# KiCad board KlusterLab r2.0.kicad_pcb (continued)
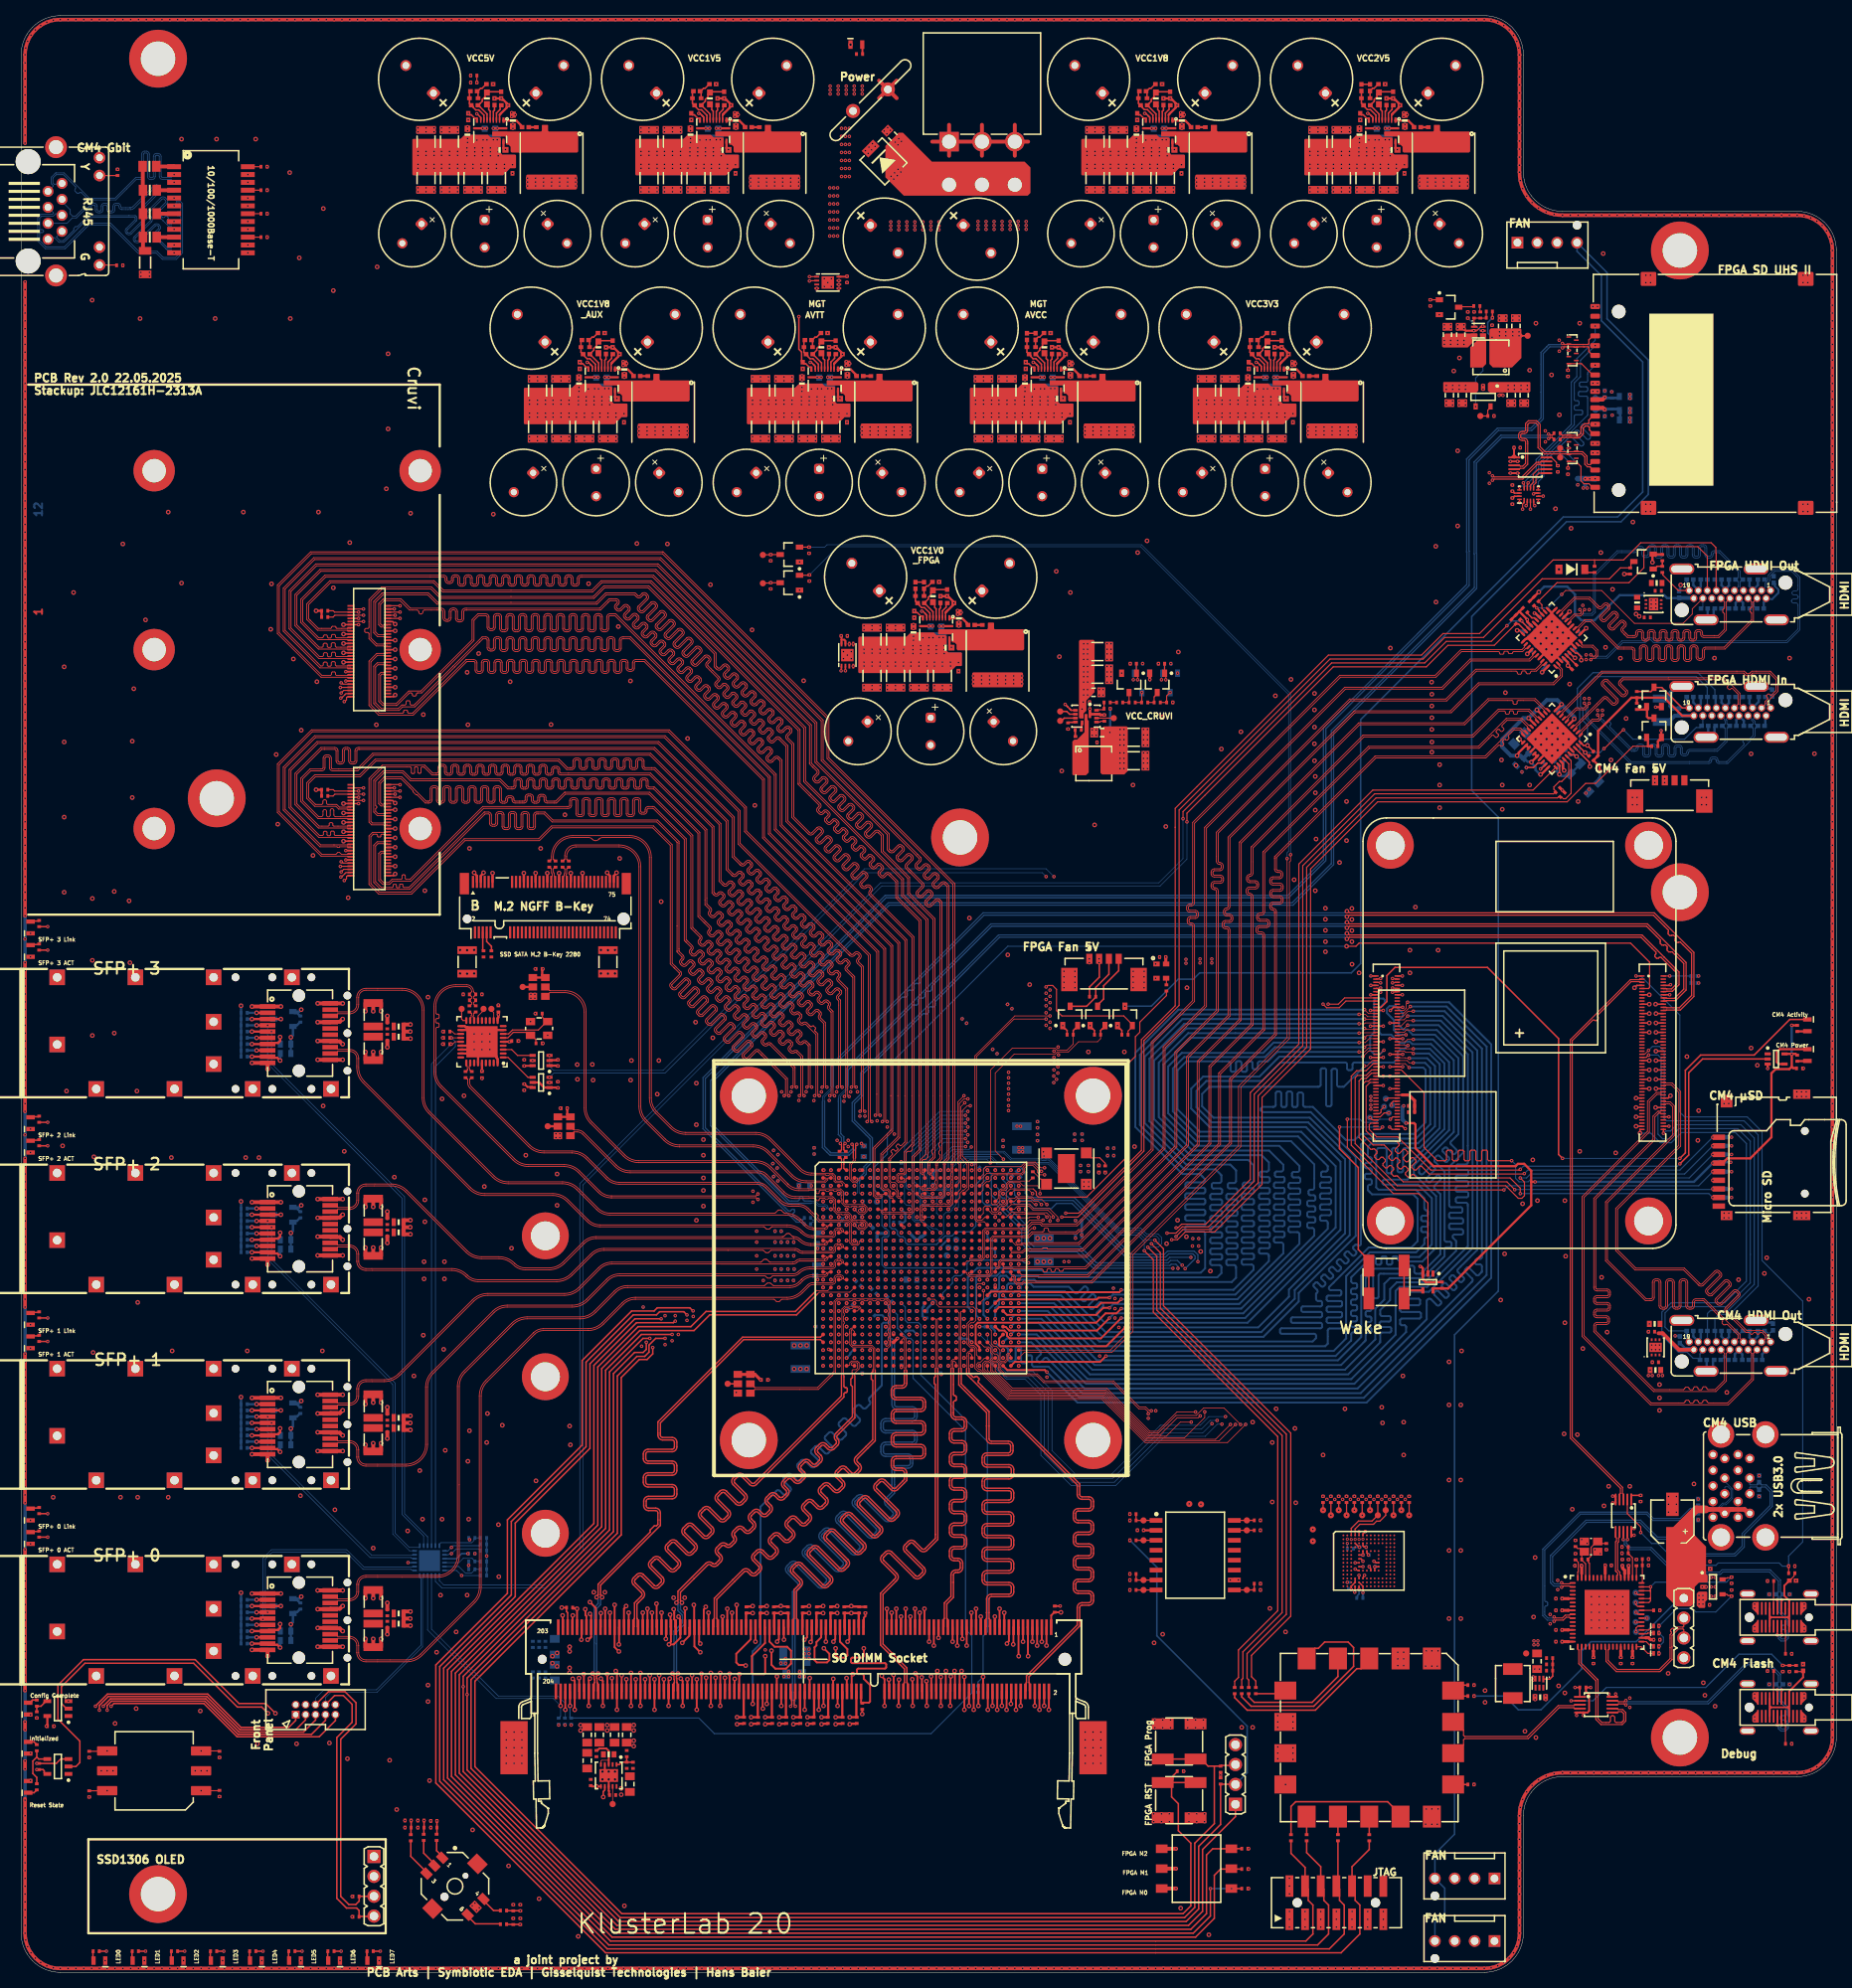
[diagram p0: board, top side]
## Routing (per net, layer and track width the routed paths; a pad name or vN(x,y) marks a point on that pad's centre or on a via; arc(x,y) is an arc through that point) (continued)
  L3 Inner2 (Sig) w0.1: v1(110.68,108.7) 110.68,108.79 110.55,108.93 110.55,109.1 110.85,109.4 112,109.4 112.47,108.93 112.47,108.74 112.44,108.71 112.44,108.51 112.63,108.32 112.83,108.32 112.86,108.35 113.05,108.35 113.84,107.56 113.84,102.63 113.78,102.57 113.57,102.57 v1(113.5,102.5)
CRUVI_A_10_P: length 160.2
  L1 Top w0.114: J21.38 46.78,167.33 46.38,167.33 46.36,167.31 45.5,167.31 45.06,166.87 45.06,162.11 45.94,161.23 48.3,161.23 48.75,161.69 50.33,161.69 59.02,170.38 59.39,170.38 arc(59.51,170.33) 59.56,170.22 59.56,169.23 arc(59.68,168.94) 59.97,168.82 60.2,168.82 arc(60.49,168.94) 60.61,169.23 60.61,170.23 arc(60.65,170.34) 60.77,170.39 61,170.39 arc(61.12,170.34) 61.17,170.23 61.17,169.17 arc(61.29,168.88) 61.58,168.76 61.8,168.76 arc(62.09,168.88) 62.21,169.17 62.21,170.23 arc(62.26,170.34) 62.38,170.39 62.61,170.39 arc(62.73,170.34) 62.78,170.23 62.78,169.17 arc(62.9,168.88) 63.19,168.76 63.41,168.76 arc(63.7,168.88) 63.82,169.17 63.82,170.23 arc(63.87,170.34) 63.99,170.39 64.22,170.39 arc(64.34,170.34) 64.39,170.23 64.39,169.17 arc(64.51,168.88) 64.8,168.76 65.02,168.76 arc(65.31,168.88) 65.43,169.17 65.43,170.23 arc(65.48,170.34) 65.6,170.39 65.83,170.39 arc(65.95,170.34) 66,170.23 66,169.17 arc(66.12,168.88) 66.41,168.76 66.63,168.76 arc(66.92,168.88) 67.04,169.17 67.04,170.23 arc(67.09,170.34) 67.21,170.39 67.44,170.39 arc(67.56,170.34) 67.61,170.23 67.61,169.17 arc(67.73,168.88) 68.02,168.76 68.24,168.76 arc(68.53,168.88) 68.65,169.17 68.65,170.23 arc(68.7,170.34) 68.82,170.39 69.05,170.39 arc(69.17,170.34) 69.22,170.23 69.22,169.17 arc(69.34,168.88) 69.63,168.76 69.85,168.76 arc(70.14,168.88) 70.26,169.17 70.26,170.23 arc(70.31,170.34) 70.43,170.39 70.66,170.39 arc(70.77,170.34) 70.82,170.23 70.82,169.17 arc(70.94,168.88) 71.23,168.76 71.46,168.76 arc(71.75,168.88) 71.87,169.17 71.87,170.23 arc(71.92,170.34) 72.04,170.39 72.26,170.39 arc(72.38,170.34) 72.43,170.23 72.43,169.17 arc(72.55,168.88) 72.84,168.76 73.07,168.76 arc(73.36,168.88) 73.48,169.17 73.48,170.23 arc(73.53,170.34) 73.65,170.39 73.87,170.39 arc(73.99,170.34) 74.04,170.23 74.04,169.17 arc(74.16,168.88) 74.45,168.76 74.68,168.76 arc(74.97,168.88) 75.09,169.17 75.09,170.23 arc(75.14,170.34) 75.26,170.39 75.48,170.39 arc(75.6,170.34) 75.65,170.23 75.65,169.17 arc(75.77,168.88) 76.06,168.76 76.29,168.76 arc(76.58,168.88) 76.7,169.17 76.7,170.22 arc(76.75,170.33) 76.87,170.38 77.79,170.38 95.51,152.66 95.51,145.46 110.25,130.72 110.25,108.7
  L3 Inner2 (Sig) w0.1: v1(114.5,102.5) 114.43,102.57 114.22,102.57 114.17,102.63 114.17,107.7 112.14,109.73 110.71,109.73 110.22,109.24 110.22,108.93 110.08,108.79 v1(110.08,108.7)
CRUVI_A_11_N: length 168.4
  L1 Top w0.1: 109.12,103.62 109.1,103.6 109.1,99.3 109.3,99.1 109.8,99.1 109.9,99.2 109.9,99.36 109.84,99.42 109.58,99.42 U1.D8
  L1 Top w0.114: 109.12,103.62 109.12,105.22 111.39,107.49 111.39,131.19 96.5,146.09 96.5,153.07 76,173.57 75.25,173.57 arc(74.96,173.45) 74.84,173.17 74.84,171.69 arc(74.79,171.57) 74.67,171.52 74.45,171.52 arc(74.33,171.57) 74.28,171.69 74.28,173.19 arc(74.16,173.48) 73.87,173.6 73.64,173.6 arc(73.35,173.48) 73.23,173.19 73.23,171.69 arc(73.18,171.57) 73.06,171.52 72.84,171.52 arc(72.72,171.57) 72.67,171.69 72.67,173.19 arc(72.55,173.48) 72.26,173.6 72.03,173.6 arc(71.74,173.48) 71.62,173.19 71.62,171.69 arc(71.57,171.57) 71.46,171.52 71.23,171.52 arc(71.11,171.57) 71.06,171.69 71.06,173.19 arc(70.94,173.48) 70.65,173.6 70.43,173.6 arc(70.14,173.48) 70.02,173.19 70.02,171.69 arc(69.97,171.57) 69.85,171.52 69.62,171.52 arc(69.5,171.57) 69.45,171.69 69.45,173.19 arc(69.33,173.48) 69.04,173.6 68.82,173.6 arc(68.53,173.48) 68.41,173.19 68.41,171.69 arc(68.36,171.57) 68.24,171.52 68.01,171.52 arc(67.89,171.57) 67.84,171.69 67.84,173.19 arc(67.72,173.48) 67.43,173.6 67.21,173.6 arc(66.92,173.48) 66.8,173.19 66.8,171.69 arc(66.75,171.57) 66.63,171.52 66.4,171.52 arc(66.28,171.57) 66.23,171.69 66.23,173.19 arc(66.11,173.48) 65.82,173.6 65.6,173.6 arc(65.31,173.48) 65.19,173.19 65.19,171.69 arc(65.14,171.57) 65.02,171.52 64.79,171.52 arc(64.67,171.57) 64.62,171.69 64.62,173.19 arc(64.5,173.48) 64.21,173.6 63.99,173.6 arc(63.7,173.48) 63.58,173.19 63.58,171.69 arc(63.53,171.57) 63.41,171.52 63.18,171.52 arc(63.06,171.57) 63.01,171.69 63.01,173.19 arc(62.89,173.48) 62.6,173.6 62.38,173.6 arc(62.09,173.48) 61.97,173.19 61.97,171.69 arc(61.92,171.57) 61.8,171.52 61.57,171.52 arc(61.45,171.57) 61.41,171.69 61.41,173.19 arc(61.29,173.48) 61,173.6 60.77,173.6 arc(60.48,173.48) 60.36,173.19 60.36,171.85 arc(60.31,171.73) 60.19,171.68 59.97,171.68 arc(59.85,171.73) 59.8,171.85 59.8,173.17 arc(59.68,173.45) 59.39,173.57 58.37,173.57 57.63,172.84 57.63,170.25 51.1,163.71 49.54,163.71 47.94,162.11 46.3,162.11 45.94,162.47 45.94,165.71 46.1,165.87 46.36,165.87 46.38,165.85 46.78,165.85 J21.46
CRUVI_A_11_P: length 170
  L1 Top w0.1: U1.D9 110.42,99.42 110.16,99.42 110.1,99.36 110.1,99.12 109.88,98.9 109.22,98.9 108.9,99.22 108.9,103.6 108.88,103.62
  L1 Top w0.114: 108.88,103.62 108.88,105.32 111.15,107.59 111.15,112 111.15,131.09 96.26,145.99 96.26,152.98 75.9,173.33 75.25,173.33 arc(75.13,173.28) 75.08,173.17 75.08,171.69 arc(74.96,171.4) 74.67,171.28 74.45,171.28 arc(74.16,171.4) 74.04,171.69 74.04,173.19 arc(73.99,173.31) 73.87,173.36 73.64,173.36 arc(73.52,173.31) 73.47,173.19 73.47,171.69 arc(73.35,171.4) 73.06,171.28 72.84,171.28 arc(72.55,171.4) 72.43,171.69 72.43,173.19 arc(72.38,173.31) 72.26,173.36 72.03,173.36 arc(71.91,173.31) 71.87,173.19 71.87,171.69 arc(71.74,171.4) 71.46,171.28 71.23,171.28 arc(70.94,171.4) 70.82,171.69 70.82,173.19 arc(70.77,173.31) 70.65,173.36 70.43,173.36 arc(70.31,173.31) 70.26,173.19 70.26,171.69 arc(70.14,171.4) 69.85,171.28 69.62,171.28 arc(69.33,171.4) 69.21,171.69 69.21,173.19 arc(69.16,173.31) 69.04,173.36 68.82,173.36 arc(68.7,173.31) 68.65,173.19 68.65,171.69 arc(68.53,171.4) 68.24,171.28 68.01,171.28 arc(67.72,171.4) 67.6,171.69 67.6,173.19 arc(67.55,173.31) 67.43,173.36 67.21,173.36 arc(67.09,173.31) 67.04,173.19 67.04,171.69 arc(66.92,171.4) 66.63,171.28 66.4,171.28 arc(66.11,171.4) 65.99,171.69 65.99,173.19 arc(65.94,173.31) 65.82,173.36 65.6,173.36 arc(65.48,173.31) 65.43,173.19 65.43,171.69 arc(65.31,171.4) 65.02,171.28 64.79,171.28 arc(64.5,171.4) 64.38,171.69 64.38,173.19 arc(64.33,173.31) 64.21,173.36 63.99,173.36 arc(63.87,173.31) 63.82,173.19 63.82,171.69 arc(63.7,171.4) 63.41,171.28 63.18,171.28 arc(62.89,171.4) 62.77,171.69 62.77,173.19 arc(62.72,173.31) 62.6,173.36 62.38,173.36 arc(62.26,173.31) 62.21,173.19 62.21,171.69 arc(62.09,171.4) 61.8,171.28 61.57,171.28 arc(61.28,171.4) 61.16,171.69 61.16,173.19 arc(61.12,173.31) 61,173.36 60.77,173.36 arc(60.65,173.31) 60.6,173.19 60.6,171.85 arc(60.48,171.56) 60.19,171.44 59.97,171.44 arc(59.68,171.56) 59.56,171.85 59.56,173.17 arc(59.51,173.28) 59.39,173.33 58.47,173.33 57.88,172.74 57.88,170.15 51.2,163.47 50.67,163.47 arc(50.56,163.43) 50.51,163.32 50.51,163.23 arc(50.47,163.12) 50.36,163.07 50.15,163.07 arc(50.04,163.12) 50,163.23 50,163.32 arc(49.95,163.43) 49.85,163.47 49.64,163.47 48.03,161.87 46.2,161.87 45.69,162.37 45.69,165.8 45.99,166.1 46.39,166.1 46.49,166.19 J21.44
CRUVI_A_DI: length 140.9
  L1 Top w0.15: J21.51 41.14,164.59 40.97,164.76 v1(40.9,164.76)
  L3 Inner2 (Sig) w0.1: v1(120.5,96.5) 121.1,97.1 121.1,101.9 120.7,102.3 120.7,103.6 120.9,103.8 122.2,103.8 123.9,105.5 123.9,105.9
  L3 Inner2 (Sig) w0.15: v1(40.9,164.76) 40.5,165.16 40.5,172.36 44.1,175.96 57.07,175.96 109.6,123.43 115.8,123.43 124.48,114.75 124.48,109.48 123.9,108.9 123.9,105.9
CRUVI_A_DO: length 140.1
  L1 Top w0.15: v1(40.8,164.16) 40.82,164.18 42.15,164.18 J21.53
  L3 Inner2 (Sig) w0.1: 124.2,105.9 124.2,105.5 122.3,103.6 121,103.6 120.9,103.5 120.9,102.38 121.88,101.41 121.88,99.88 v1(121.5,99.5)
  L3 Inner2 (Sig) w0.15: v1(40.8,164.16) 40.1,164.86 40.1,172.56 43.9,176.36 57.23,176.36 74.9,158.7 109.77,123.83 115.9,123.83 124.78,114.95 124.78,109.28 124.2,108.7 124.2,105.9
CRUVI_A_HSI: length 120
  L1 Top w0.15: J21.10 v1(48.43,172.99)
  L3 Inner2 (Sig) w0.1: v1(121.44,105.46) 121.46,105.46 121.8,105.8
  L3 Inner2 (Sig) w0.15: 121.8,105.8 121.8,109.8 122.38,110.38 122.38,113.35 115.1,120.62 108.44,120.62 56.09,172.97 53.48,172.97 53.46,172.99 v1(48.43,172.99)
  L12 Bottom w0.1: v1(121.44,105.46) 121.44,105.45 121.19,105.2 121.19,105.19 121.11,105.11 119.01,105.11 118.1,104.2 118.1,101.37 118.13,101.33 118.13,100.84 118.13,100.83 118.13,100.34 118.37,100.1 118.71,100.1 119.1,99.71 119.1,98.1 v1(118.5,97.5)
CRUVI_A_HSIO: length 123.1
  L1 Top w0.15: J21.2 46.86,174.61 48.41,174.61 v1(48.43,174.59)
  L3 Inner2 (Sig) w0.1: v1(119.5,95.5) 119.9,95.9 119.9,104.1 120.2,104.4 121.92,104.4 123,105.48 123,105.9
  L3 Inner2 (Sig) w0.15: 123,105.9 123,109.4 123.58,109.98 123.58,114.15 115.5,122.23 109.1,122.23 106.16,125.16 74.56,156.76 56.74,174.59 v1(48.43,174.59)
CRUVI_A_HSO: length 123
  L1 Top w0.15: J21.6 v1(48.43,173.79)
  L3 Inner2 (Sig) w0.1: v1(118.5,95.5) 118.1,95.9 118.1,103.8 119.1,104.8 121.7,104.8 122.4,105.5 122.4,105.9
  L3 Inner2 (Sig) w0.15: v1(48.43,173.79) 56.41,173.79 108.77,121.43 115.3,121.43 122.98,113.75 122.98,110.18 122.4,109.6 122.4,105.9
CRUVI_A_MODE: length 145.5
  L1 Top w0.15: v1(40.86,162.82) 40.94,162.82 41.06,162.94 41.08,162.94 41.52,163.38 42.15,163.38 J21.57
  L3 Inner2 (Sig) w0.1: 124.8,105.9 124.8,105.5 122.5,103.2 122.3,103.2 122.1,103 122.1,102 122.43,101.68 122.43,98.42 v1(121.5,97.5)
  L3 Inner2 (Sig) w0.15: v1(40.86,162.82) 39.3,164.37 39.3,172.76 43.7,177.16 57.56,177.16 75.46,159.26 110.1,124.62 116.1,124.62 125.38,115.35 125.38,108.98 124.8,108.4 124.8,105.9
CRUVI_A_REFCLK: length 123
  L1 Top w0.15: J21.11 v1(43.76,172.59)
  L3 Inner2 (Sig) w0.1: v1(120.7,105.5) 120.77,105.57 121.03,105.57 121.5,106.04
  L3 Inner2 (Sig) w0.15: 121.5,106.04 121.5,110 122.08,110.58 122.08,113.15 115,120.22 108.28,120.22 104.75,123.75 55.91,172.59 53.32,172.59 48.14,172.59 48,172.74 45.99,172.74 45.85,172.59 v1(43.76,172.59)
  L12 Bottom w0.1: v1(120.7,105.5) 119,105.5 117.9,104.4 117.9,100.29 118.29,99.9 118.63,99.9 118.9,99.63 118.9,98.9 v1(118.5,98.5)
CRUVI_A_RESET: length 122.4
  L1 Top w0.15: J21.8 v1(47.8,173.39)
  L3 Inner2 (Sig) w0.1: 122.1,105.9 122.1,105.53 121.57,105 118.9,105 117.9,104 117.9,95.9 v1(117.5,95.5)
  L3 Inner2 (Sig) w0.15: 122.1,105.9 122.1,109.7 122.68,110.28 122.68,113.55 115.2,121.03 108.61,121.03 105.32,124.32 73.92,155.72 56.24,173.39 v1(47.8,173.39)
CRUVI_A_SCK: length 148.6
  L1 Top w0.15: v1(41.3,162.36) 41.36,162.36 41.59,162.59 41.59,162.86 41.67,162.95 42.13,162.95 J21.59
  L3 Inner2 (Sig) w0.1: 125.1,105.9 125.1,105.5 122.63,103.03 122.63,102.88 122.85,102.66 122.85,102.34 122.63,102.12 122.63,98.23 122,97.6 122,97 v1(121.5,96.5)
  L3 Inner2 (Sig) w0.15: v1(41.3,162.36) 40.6,162.36 38.9,164.06 38.9,172.86 43.6,177.56 57.73,177.56 75.49,159.79 108.14,127.14 110.26,125.03 116.2,125.03 125.68,115.55 125.68,108.78 125.1,108.2 125.1,105.9
CRUVI_A_SEL: length 142.2
  L1 Top w0.15: v1(40.9,163.46) 41.23,163.79 J21.55
  L3 Inner2 (Sig) w0.1: v1(121.5,98.5) 122.2,99.2 122.2,101.5 121.9,101.8 121.9,103.2 122.1,103.4 122.38,103.4 124.5,105.52 124.5,105.9
  L3 Inner2 (Sig) w0.15: 124.5,105.9 124.5,108.6 125.08,109.18 125.08,115.15 116,124.22 109.93,124.22 107.58,126.58 75.28,158.88 57.4,176.76 43.8,176.76 39.7,172.66 39.7,164.66 v1(40.9,163.46)
CRUVI_A_SMB_ALERT: length 128.9
  L1 Top w0.15: J21.3 v1(43.76,174.19)
  L3 Inner2 (Sig) w0.1: v1(120.5,95.5) 120.1,95.9 120.1,104 120.3,104.2 122,104.2 123.3,105.5 123.3,105.9
  L3 Inner2 (Sig) w0.15: v1(43.76,174.19) 44.73,175.16 56.73,175.16 109.27,122.62 115.6,122.62 123.88,114.35 123.88,109.88 123.3,109.3 123.3,105.9
CRUVI_A_SMB_SCL: length 130.3
  L1 Top w0.15: R285.1 39.87,173.16 40.1,173.39 J21.7 v1(43.76,173.39)
  L3 Inner2 (Sig) w0.1: v1(118.5,96.5) 118.9,96.9 118.9,104.1 119.4,104.6 121.8,104.6 122.7,105.5 122.7,105.9
  L3 Inner2 (Sig) w0.15: 122.7,105.9 122.7,109.5 123.28,110.08 123.28,113.95 115.4,121.82 108.94,121.82 105.88,124.88 74.53,156.23 56.57,174.19 48.26,174.19 47.87,173.8 47.14,173.8 46.73,173.39 v1(43.76,173.39)
CRUVI_A_SMB_SDA: length 131
  L1 Top w0.15: v1(43.13,173.79) J21.5 40.07,173.79 39.9,173.96 R283.1
  L3 Inner2 (Sig) w0.1: 123.6,105.9 123.6,105.5 122.1,104 120.8,104 120.5,103.7 120.5,102.2 120.9,101.8 120.9,97.9 v1(120.5,97.5)
  L3 Inner2 (Sig) w0.15: v1(43.13,173.79) 43.13,174.29 44.4,175.56 56.9,175.56 74.38,158.08 109.43,123.02 115.7,123.02 124.18,114.55 124.18,109.68 123.6,109.1 123.6,105.9
CRUVI_B_0_N: length 154.5
  L1 Top w0.114: J27.17 42.11,148.59 41.71,148.59 41.67,148.63 40.58,148.63 40.23,148.98 37.52,148.98 36.51,149.99 36.51,151.99 37.52,153 43.25,153 45.25,155 68.75,155 69.83,153.92 70.38,153.92 arc(70.48,153.96) 70.52,154.06 70.52,154.75 arc(70.64,155.02) 70.9,155.13 71.19,155.13 arc(71.46,155.02) 71.57,154.75 71.57,154.06 arc(71.61,153.96) 71.71,153.92 71.99,153.92 arc(72.09,153.96) 72.13,154.06 72.13,154.75 arc(72.24,155.02) 72.51,155.13 72.8,155.13 arc(73.07,155.02) 73.18,154.75 73.18,154.06 arc(73.22,153.96) 73.32,153.92 73.6,153.92 arc(73.7,153.96) 73.74,154.06 73.74,154.75 arc(73.85,155.02) 74.12,155.13 74.41,155.13 arc(74.68,155.02) 74.79,154.75 74.79,154.06 arc(74.83,153.96) 74.93,153.92 75.21,153.92 arc(75.31,153.96) 75.35,154.06 75.35,154.75 arc(75.46,155.02) 75.73,155.13 76.01,155.13 arc(76.28,155.02) 76.4,154.75 76.4,154.06 arc(76.44,153.96) 76.54,153.92 76.82,153.92 arc(76.92,153.96) 76.96,154.06 76.96,154.75 arc(77.07,155.02) 77.34,155.13 77.62,155.13 arc(77.89,155.02) 78.01,154.75 78.01,154.06 arc(78.05,153.96) 78.15,153.92 78.43,153.92 arc(78.53,153.96) 78.57,154.06 78.57,154.75 arc(78.68,155.02) 78.95,155.13 79.23,155.13 arc(79.5,155.02) 79.61,154.75 79.61,154.06 arc(79.66,153.96) 79.76,153.92 81.01,153.92 88.54,146.39 88.54,138 88.75,137.79 arc(88.85,137.75) 88.95,137.79 89.12,137.97 arc(89.36,138.08) 89.62,138 89.62,138 89.89,137.73 89.89,137.73 arc(89.97,137.47) 89.86,137.23 arc(89.86,137.23) 89.86,137.23 89.42,136.79 arc(89.38,136.69) 89.42,136.59 89.62,136.39 arc(89.72,136.35) 89.82,136.39 90.25,136.83 arc(90.5,136.94) 90.75,136.86 90.76,136.86 91.03,136.59 91.03,136.59 arc(91.11,136.33) 90.99,136.09 arc(90.99,136.09) 90.99,136.09 90.56,135.65 arc(90.52,135.55) 90.56,135.46 90.76,135.26 arc(90.86,135.21) 90.96,135.26 91.39,135.69 arc(91.64,135.8) 91.89,135.73 91.9,135.73 92.17,135.46 92.17,135.45 arc(92.24,135.19) 92.13,134.95 arc(92.13,134.95) 92.13,134.95 91.7,134.52 arc(91.66,134.42) 91.7,134.32 91.9,134.12 arc(92,134.08) 92.1,134.12 92.53,134.55 arc(92.77,134.66) 93.03,134.59 93.04,134.59 93.31,134.32 93.31,134.31 arc(93.38,134.06) 93.27,133.81 92.84,133.38 arc(92.79,133.28) 92.84,133.18 93.03,132.98 arc(93.13,132.94) 93.23,132.98 93.67,133.41 arc(93.91,133.53) 94.17,133.45 94.17,133.45 94.44,133.18 94.44,133.17 arc(94.52,132.92) 94.41,132.68 93.97,132.24 arc(93.93,132.14) 93.97,132.04 94.17,131.84 arc(94.27,131.8) 94.37,131.84 94.81,132.28 arc(95.05,132.39) 95.31,132.31 95.31,132.31 95.58,132.04 95.58,132.04 arc(95.66,131.78) 95.55,131.54 95.11,131.1 arc(95.07,131) 95.11,130.9 95.31,130.7 arc(95.41,130.66) 95.51,130.7 95.94,131.14 arc(96.19,131.25) 96.44,131.17 96.45,131.17 96.72,130.9 96.72,130.9 arc(96.79,130.64) 96.68,130.4 96.25,129.97 arc(96.21,129.87) 96.25,129.77 96.45,129.57 arc(96.55,129.53) 96.65,129.57 97.08,130 arc(97.33,130.11) 97.58,130.04 97.59,130.04 97.86,129.77 97.86,129.76 arc(97.93,129.5) 97.82,129.26 97.39,128.83 arc(97.35,128.73) 97.39,128.63 97.59,128.43 arc(97.69,128.39) 97.78,128.43 98.22,128.86 arc(98.46,128.97) 98.72,128.9 98.72,128.9 98.99,128.63 98.99,128.62 arc(99.07,128.37) 98.96,128.12 98.52,127.69 arc(98.48,127.59) 98.52,127.49 98.72,127.29 arc(98.82,127.25) 98.92,127.29 99.36,127.73 arc(99.6,127.84) 99.86,127.76 99.86,127.76 100.13,127.49 100.13,127.49 arc(100.21,127.23) 100.1,126.99 99.66,126.55 arc(99.62,126.45) 99.66,126.35 99.86,126.15 arc(99.96,126.11) 100.06,126.15 100.5,126.59 arc(100.74,126.7) 101,126.62 101,126.62 101.27,126.35 101.27,126.35 arc(101.35,126.09) 101.23,125.85 100.8,125.41 arc(100.76,125.31) 100.8,125.21 101,125.01 arc(101.1,124.97) 101.2,125.01 101.44,125.25 arc(101.68,125.37) 101.94,125.29 101.94,125.29 102.18,125.06 arc(102.29,124.79) 102.18,124.52 102.02,124.35 arc(101.98,124.25) 102.02,124.16 102.22,123.96 arc(102.32,123.91) 102.42,123.96 102.6,124.14 arc(102.84,124.25) 103.1,124.18 103.1,124.18 103.37,123.91 103.37,123.9 arc(103.45,123.64) 103.34,123.4 arc(103.3,123.3) 103.34,123.2 103.76,122.78 103.76,112
  L3 Inner2 (Sig) w0.1: v1(109.5,102.5) 109.57,102.43 109.84,102.43 109.9,102.37 109.9,102.2 109.8,102.1 109.3,102.1 109.08,102.32 109.08,102.8 109.14,102.87 109.14,103.14 108.68,103.6 106.2,103.6 103.82,105.98 103.82,110.92 103.99,111.09 103.99,111.69 103.98,111.7 103.98,111.97 v1(103.95,112)
CRUVI_B_0_P: length 154.9
  L1 Top w0.114: J27.15 42.11,148.87 41.66,148.87 41.65,148.87 40.68,148.87 40.33,149.22 39.22,149.22 arc(39.09,149.27) 39.03,149.4 39.03,149.62 arc(38.98,149.75) 38.85,149.81 38.75,149.81 arc(38.62,149.75) 38.57,149.62 38.57,149.4 arc(38.51,149.27) 38.38,149.22 37.62,149.22 36.75,150.09 36.75,151.89 37.62,152.76 43.35,152.76 45.35,154.76 68.65,154.76 69.73,153.68 70.38,153.68 arc(70.65,153.79) 70.76,154.06 70.76,154.75 arc(70.81,154.85) 70.9,154.89 71.19,154.89 arc(71.29,154.85) 71.33,154.75 71.33,154.06 arc(71.44,153.79) 71.71,153.68 71.99,153.68 arc(72.26,153.79) 72.37,154.06 72.37,154.75 arc(72.41,154.85) 72.51,154.89 72.8,154.89 arc(72.9,154.85) 72.94,154.75 72.94,154.06 arc(73.05,153.79) 73.32,153.68 73.6,153.68 arc(73.87,153.79) 73.98,154.06 73.98,154.75 arc(74.02,154.85) 74.12,154.89 74.41,154.89 arc(74.5,154.85) 74.55,154.75 74.55,154.06 arc(74.66,153.79) 74.93,153.68 75.21,153.68 arc(75.48,153.79) 75.59,154.06 75.59,154.75 arc(75.63,154.85) 75.73,154.89 76.01,154.89 arc(76.11,154.85) 76.16,154.75 76.16,154.06 arc(76.27,153.79) 76.54,153.68 76.82,153.68 arc(77.09,153.79) 77.2,154.06 77.2,154.75 arc(77.24,154.85) 77.34,154.89 77.62,154.89 arc(77.72,154.85) 77.76,154.75 77.76,154.06 arc(77.88,153.79) 78.15,153.68 78.43,153.68 arc(78.7,153.79) 78.81,154.06 78.81,154.75 arc(78.85,154.85) 78.95,154.89 79.23,154.89 arc(79.33,154.85) 79.37,154.75 79.37,154.06 arc(79.49,153.79) 79.76,153.68 80.91,153.68 88.3,146.29 88.3,137.9 88.58,137.63 arc(88.85,137.51) 89.12,137.62 89.29,137.8 arc(89.39,137.84) 89.49,137.8 89.69,137.6 arc(89.73,137.5) 89.69,137.4 89.25,136.96 arc(89.14,136.69) 89.25,136.42 89.45,136.22 arc(89.72,136.11) 89.99,136.22 90.43,136.66 arc(90.53,136.7) 90.62,136.66 90.82,136.46 arc(90.87,136.36) 90.82,136.26 90.39,135.82 arc(90.28,135.55) 90.39,135.28 90.59,135.09 arc(90.86,134.97) 91.13,135.09 91.56,135.52 arc(91.66,135.56) 91.76,135.52 91.96,135.32 arc(92,135.22) 91.96,135.12 91.53,134.69 arc(91.42,134.42) 91.53,134.15 91.73,133.95 arc(92,133.84) 92.27,133.95 92.7,134.38 arc(92.8,134.42) 92.9,134.38 93.1,134.18 arc(93.14,134.08) 93.1,133.98 92.67,133.55 arc(92.55,133.28) 92.67,133.01 92.86,132.81 arc(93.13,132.7) 93.4,132.81 93.84,133.24 arc(93.94,133.29) 94.04,133.24 94.24,133.05 arc(94.28,132.95) 94.24,132.85 93.8,132.41 arc(93.69,132.14) 93.8,131.87 94,131.67 arc(94.27,131.56) 94.54,131.67 94.98,132.11 arc(95.08,132.15) 95.18,132.11 95.37,131.91 arc(95.42,131.81) 95.38,131.71 94.94,131.27 arc(94.83,131) 94.94,130.73 95.14,130.53 arc(95.41,130.42) 95.68,130.53 arc(95.68,130.53) 95.68,130.53 96.11,130.97 arc(96.21,131.01) 96.31,130.97 96.51,130.77 arc(96.55,130.67) 96.51,130.57 96.08,130.14 arc(95.97,129.87) 96.08,129.6 96.28,129.4 arc(96.55,129.28) 96.82,129.4 arc(96.82,129.4) 96.82,129.4 97.25,129.83 arc(97.35,129.87) 97.45,129.83 97.65,129.63 arc(97.69,129.53) 97.65,129.43 97.22,129 arc(97.1,128.73) 97.22,128.46 97.42,128.26 arc(97.69,128.15) 97.96,128.26 arc(97.96,128.26) 97.96,128.26 98.39,128.69 arc(98.49,128.73) 98.59,128.69 arc(98.59,128.69) 98.59,128.69 98.79,128.49 arc(98.83,128.39) 98.79,128.29 98.35,127.86 arc(98.24,127.59) 98.35,127.32 98.55,127.12 arc(98.82,127.01) 99.09,127.12 arc(99.09,127.12) 99.09,127.12 99.53,127.56 arc(99.63,127.6) 99.73,127.55 arc(99.73,127.55) 99.73,127.55 99.93,127.36 arc(99.97,127.26) 99.93,127.16 99.49,126.72 arc(99.38,126.45) 99.49,126.18 99.69,125.98 arc(99.96,125.87) 100.23,125.98 arc(100.23,125.98) 100.23,125.98 100.67,126.42 arc(100.77,126.46) 100.87,126.42 arc(100.87,126.42) 100.87,126.42 101.06,126.22 arc(101.06,126.22) 101.06,126.22 arc(101.11,126.12) 101.07,126.02 100.63,125.58 arc(100.52,125.31) 100.63,125.04 100.83,124.85 arc(101.1,124.73) 101.37,124.84 101.61,125.08 arc(101.71,125.13) 101.81,125.08 102.01,124.88 arc(102.05,124.79) 102.01,124.69 101.85,124.52 arc(101.73,124.25) 101.85,123.98 102.05,123.79 arc(102.32,123.67) 102.59,123.79 102.77,123.97 arc(102.87,124.01) 102.97,123.97 103.17,123.77 arc(103.21,123.67) 103.17,123.57 arc(103.06,123.3) 103.17,123.03 103.52,122.68 103.52,112
  L3 Inner2 (Sig) w0.1: v1(110.5,102.5) 110.43,102.43 110.16,102.43 110.1,102.37 110.1,102.12 109.88,101.9 109.22,101.9 108.88,102.24 108.88,102.8 108.81,102.87 108.81,103 108.54,103.27 106.06,103.27 103.49,105.85 103.49,111.06 103.66,111.23 103.66,111.56 103.65,111.56 103.65,111.7 v1(103.35,112)
CRUVI_B_1_N: length 153.5
  L1 Top w0.114: 104.73,113.1 104.73,124.21 104.48,124.46 arc(104.44,124.56) 104.48,124.66 104.77,124.95 arc(104.88,125.19) 104.8,125.45 104.8,125.45 104.53,125.72 104.53,125.72 arc(104.27,125.8) 104.03,125.69 arc(104.03,125.68) 104.03,125.68 103.52,125.18 arc(103.42,125.14) 103.32,125.18 103.12,125.38 arc(103.08,125.48) 103.12,125.58 103.63,126.08 arc(103.63,126.08) 103.63,126.08 arc(103.74,126.33) 103.67,126.58 103.67,126.59 103.4,126.86 103.39,126.86 arc(103.13,126.93) 102.89,126.82 102.38,126.31 arc(102.28,126.27) 102.18,126.32 101.98,126.51 arc(101.94,126.61) 101.98,126.71 102.49,127.22 arc(102.6,127.46) 102.53,127.72 102.53,127.73 102.26,128 102.25,128 arc(102,128.07) 101.75,127.96 101.25,127.45 arc(101.15,127.41) 101.05,127.45 100.85,127.65 arc(100.81,127.75) 100.85,127.85 101.35,128.36 arc(101.47,128.6) 101.39,128.86 101.39,128.86 101.12,129.13 101.11,129.13 arc(100.86,129.21) 100.62,129.1 100.11,128.59 arc(100.01,128.55) 99.91,128.59 99.71,128.79 arc(99.67,128.89) 99.71,128.99 100.22,129.5 arc(100.33,129.74) 100.25,130 100.25,130 99.98,130.27 99.98,130.27 arc(99.72,130.35) 99.48,130.24 98.97,129.73 arc(98.87,129.69) 98.77,129.73 98.57,129.93 arc(98.53,130.03) 98.57,130.13 99.08,130.63 arc(99.19,130.88) 99.11,131.13 99.11,131.14 98.84,131.41 98.84,131.41 arc(98.58,131.49) 98.34,131.37 97.83,130.87 arc(97.73,130.83) 97.63,130.87 97.43,131.07 arc(97.39,131.17) 97.43,131.27 97.94,131.77 arc(97.94,131.77) 97.94,131.77 arc(98.05,132.02) 97.98,132.27 97.98,132.28 97.71,132.55 97.7,132.55 arc(97.44,132.62) 97.2,132.51 96.69,132 arc(96.59,131.96) 96.49,132 96.3,132.2 arc(96.25,132.3) 96.3,132.4 96.8,132.91 arc(96.8,132.91) 96.8,132.91 arc(96.91,133.15) 96.84,133.41 96.84,133.42 96.57,133.69 96.56,133.69 arc(96.31,133.76) 96.06,133.65 95.56,133.14 arc(95.46,133.1) 95.36,133.14 95.16,133.34 arc(95.12,133.44) 95.16,133.54 95.66,134.05 arc(95.67,134.05) 95.67,134.05 arc(95.78,134.29) 95.7,134.55 95.7,134.55 95.43,134.82 95.43,134.82 arc(95.17,134.9) 94.93,134.79 94.42,134.28 arc(94.32,134.24) 94.22,134.28 94.02,134.48 arc(93.98,134.58) 94.02,134.68 94.53,135.19 arc(94.53,135.19) 94.53,135.19 arc(94.64,135.43) 94.56,135.69 94.56,135.69 94.29,135.96 94.29,135.96 arc(94.03,136.04) 93.79,135.93 93.28,135.42 arc(93.18,135.38) 93.08,135.42 92.88,135.62 arc(92.84,135.72) 92.88,135.82 93.39,136.32 arc(93.5,136.57) 93.42,136.82 93.42,136.83 93.16,137.1 93.15,137.1 arc(92.89,137.17) 92.65,137.06 92.14,136.56 arc(92.04,136.51) 91.94,136.56 91.74,136.76 arc(91.7,136.86) 91.74,136.95 92.25,137.46 arc(92.36,137.71) 92.29,137.96 92.29,137.97 92.02,138.24 92.01,138.24 arc(91.76,138.31) 91.51,138.2 91,137.69 arc(90.9,137.65) 90.81,137.69 90.61,137.89 arc(90.56,137.99) 90.61,138.09 91.11,138.6 arc(91.22,138.84) 91.15,139.1 91.15,139.1 90.88,139.37 90.87,139.37 arc(90.62,139.45) 90.37,139.34 90.09,139.05 arc(89.99,139.01) 89.89,139.05 89.44,139.5 89.44,146.76 80.45,155.75 44.93,155.75 42.93,153.75 39.81,153.75 arc(39.69,153.8) 39.64,153.92 39.64,155.13 arc(39.52,155.42) 39.23,155.54 39.01,155.54 arc(38.72,155.42) 38.6,155.13 38.6,153.92 arc(38.55,153.8) 38.43,153.75 36.92,153.75 35.75,152.58 35.75,149.6 37.94,147.41 41.69,147.41 41.71,147.39 42.11,147.39 J27.23
  L3 Inner2 (Sig) w0.1: v1(104.92,113.1) 104.92,113.07 104.72,112.87 104.8,112.79 104.8,111.98 104.6,111.78 104.6,111.4 104.67,111.34 104.67,108.54 106.47,106.73 108.07,106.73 111.17,103.63 111.17,103.09 111.1,103.03 111.1,102.2 111.2,102.1 111.37,102.1 111.43,102.16 111.43,102.43 v1(111.5,102.5)
